# KiCad board pandemonium BLE e7.kicad_pcb
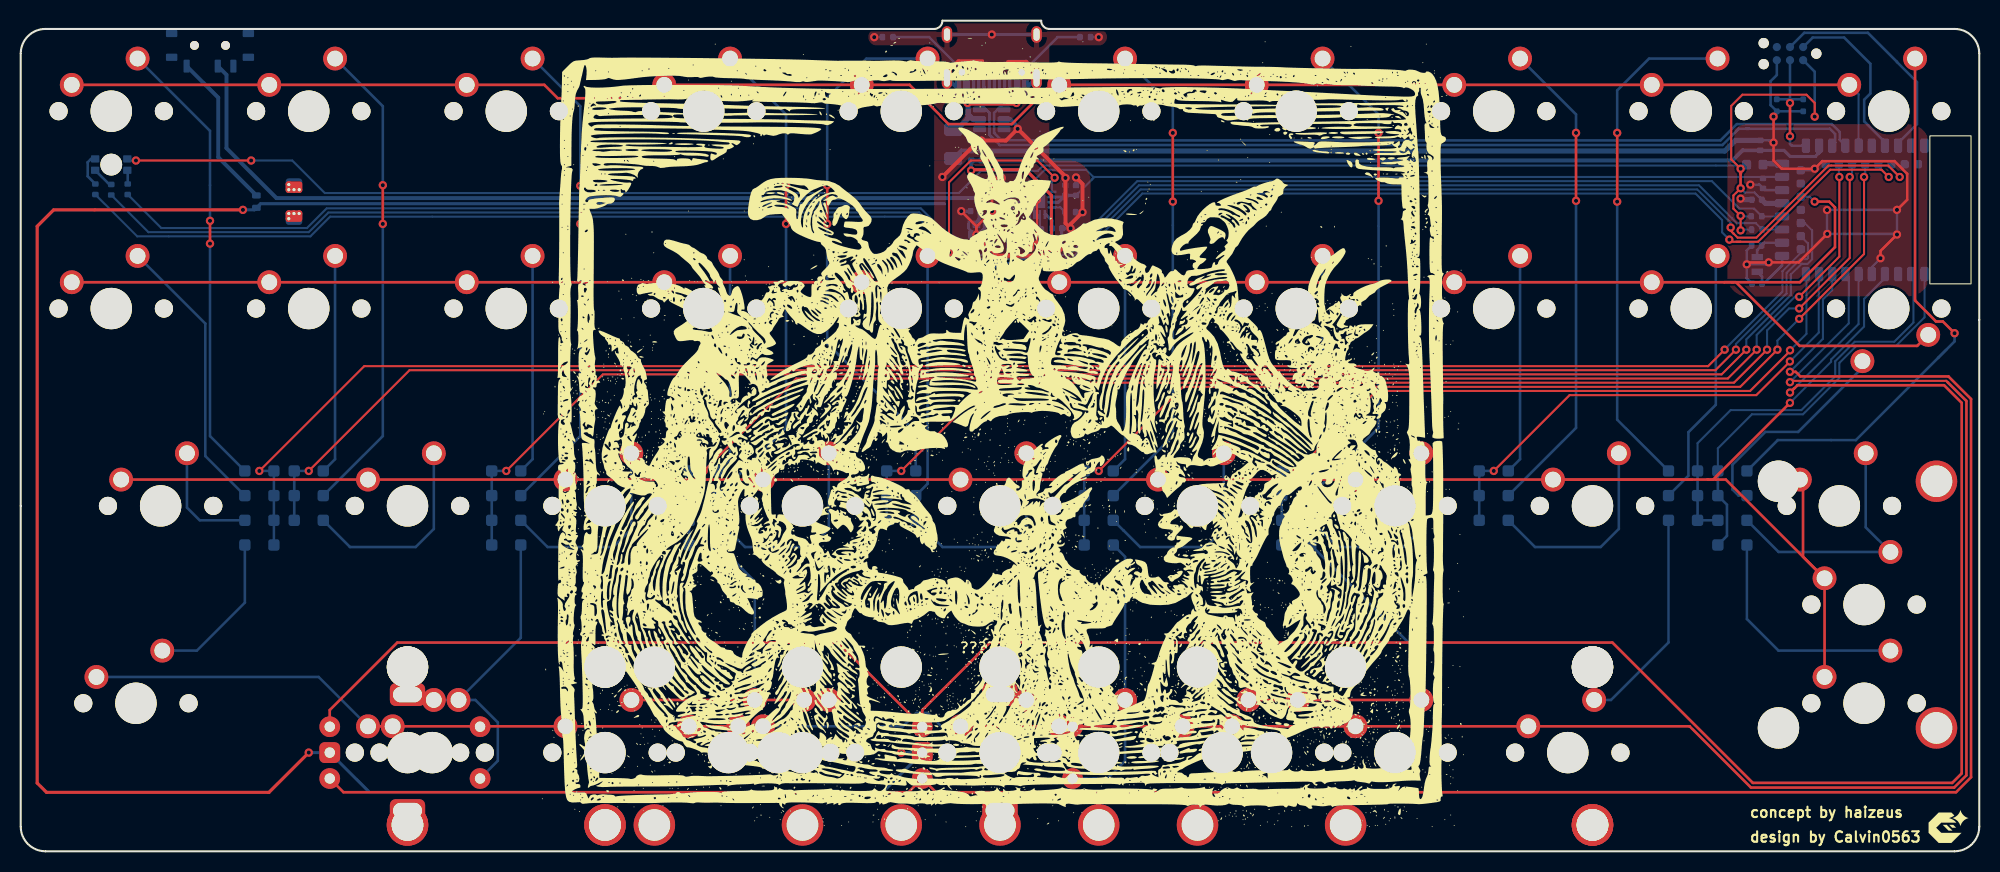
[diagram p0: board, top side]
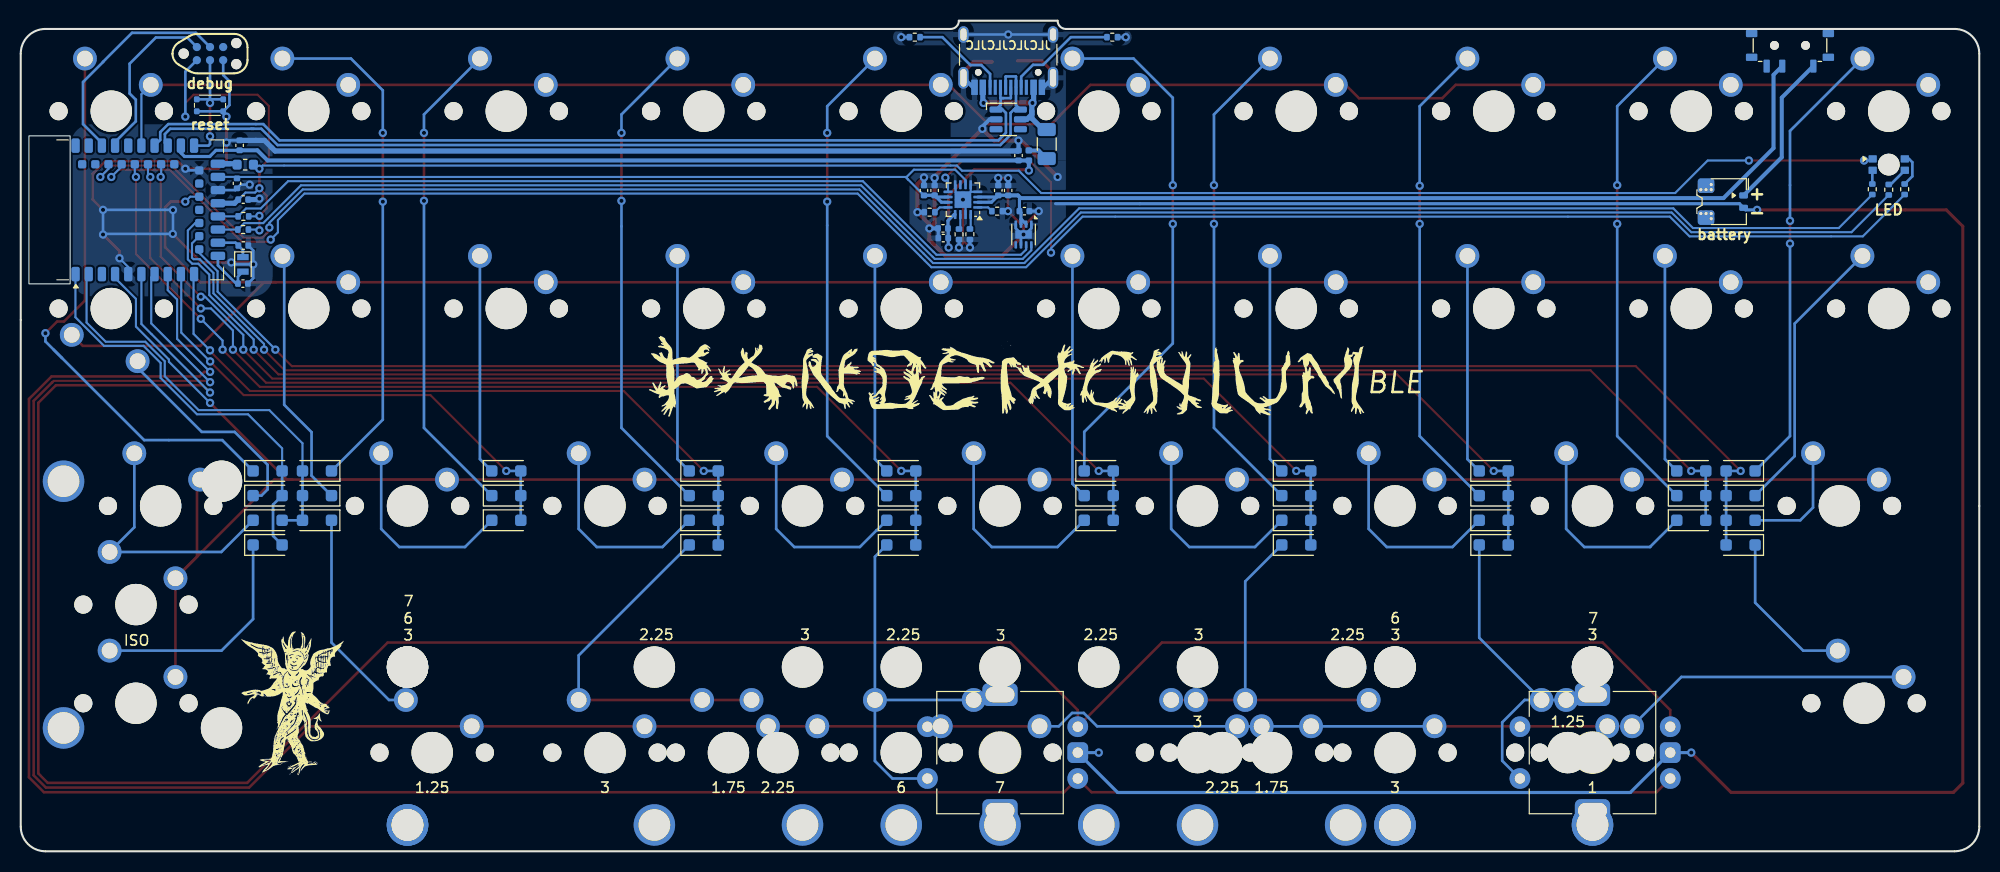
[diagram p1: board, bottom side, seen from below]

Outline 188.91 x 80.17 mm; copper layers: Top, Bottom. Coordinates in mm from the lower left corner of the outline.
Outline path: rectangle 184.15,69.06 188.12,54.77 ; 0,76.99 0,33.34 0,2.38 arc(0.7,0.7) 2.38,0 186.53,0 arc(188.22,0.7) 188.91,2.38 188.91,51.3 188.91,76.99 arc(188.22,78.68) 186.53,79.38 99.22,79.38 arc(98.66,79.61) 98.43,80.17 88.9,80.17 arc(88.67,79.61) 88.11,79.38 2.38,79.38 arc(0.7,78.68) 0,76.99
Stack: Top 0.035mm / dielectric 1.51mm FR4 er 4.5 / Bottom 0.035mm

## Placement (name value [footprint] x y rotation side)
C6  1u  [C_0402_1005Metric]  167.45 62.91 180 bottom
C7  4u7  [C_0402_1005Metric]  167.8 68.14 90 bottom
C8  4u7  [C_0402_1005Metric]  168.05 64.47 270 bottom
C9  12p  [C_0402_1005Metric]  167.48 54.8 180 bottom
C10  12p  [C_0402_1005Metric]  167.44 58.47 180 bottom
C12  4u7  [C_0402_1005Metric]  92.67 67.16 90 bottom
C13  4u7  [C_0402_1005Metric]  99.93 59.19 0 bottom
C14  1u  [C_0402_1005Metric]  99.96 60.13 0 bottom
C15  4u7  [C_0402_1005Metric]  101.79 63.79 90 bottom
C16  1u  [C_0402_1005Metric]  100.76 63.79 90 bottom
C17  100n  [C_0402_1005Metric]  92.1 61.79 180 bottom
C18  4u7  [C_0402_1005Metric]  93.66 63.79 90 bottom
C19  1u  [C_0402_1005Metric]  94.62 63.79 90 bottom
D1  D_Small  [D_SOD-123F]  23.02 36.71 0 bottom
D2  D_Small  [D_SOD-123F]  103.98 34.33 180 bottom
D3  D_Small  [D_SOD-123F]  23.02 34.33 0 bottom
D4  D_Small  [D_SOD-123F]  103.98 36.71 180 bottom
D5  D_Small  [D_SOD-123F]  23.02 31.95 0 bottom
D6  D_Small  [D_SOD-123F]  103.98 31.95 180 bottom
D7  D_Small  [D_SOD-123F]  23.02 29.57 0 bottom
D8  D_Small  [D_SOD-123F]  27.78 34.33 180 bottom
D9  D_Small  [D_SOD-123F]  123.03 34.33 180 bottom
D10  D_Small  [D_SOD-123F]  27.78 36.71 180 bottom
D11  D_Small  [D_SOD-123F]  123.03 36.71 180 bottom
D12  D_Small  [D_SOD-123F]  27.78 31.95 180 bottom
D13  D_Small  [D_SOD-123F]  123.03 31.95 180 bottom
D14  D_Small  [D_SOD-123F]  46.83 29.57 180 bottom
D15  D_Small  [D_SOD-123F]  46.83 34.33 180 bottom
D16  D_Small  [D_SOD-123F]  142.08 34.33 180 bottom
D17  D_Small  [D_SOD-123F]  46.83 36.71 180 bottom
D18  D_Small  [D_SOD-123F]  142.08 36.71 180 bottom
D19  D_Small  [D_SOD-123F]  46.83 31.95 180 bottom
D20  D_Small  [D_SOD-123F]  142.08 31.95 180 bottom
D21  D_Small  [D_SOD-123F]  65.88 29.57 180 bottom
D22  D_Small  [D_SOD-123F]  65.88 34.33 180 bottom
D23  D_Small  [D_SOD-123F]  84.93 36.71 180 bottom
D24  D_Small  [D_SOD-123F]  103.98 29.57 180 bottom
D25  D_Small  [D_SOD-123F]  160.34 36.71 0 bottom
D26  D_Small  [D_SOD-123F]  165.1 36.71 180 bottom
D27  D_Small  [D_SOD-123F]  160.34 31.95 0 bottom
D28  D_Small  [D_SOD-123F]  65.88 36.71 180 bottom
D29  D_Small  [D_SOD-123F]  84.93 34.33 180 bottom
D30  D_Small  [D_SOD-123F]  165.1 29.57 180 bottom
D31  D_Small  [D_SOD-123F]  160.34 34.33 0 bottom
D32  D_Small  [D_SOD-123F]  165.1 34.33 180 bottom
D34  D_Small  [D_SOD-123F]  65.88 31.95 180 bottom
D35  D_Small  [D_SOD-123F]  84.93 31.95 180 bottom
D37  D_Small  [D_SOD-123F]  165.1 31.95 180 bottom
D40  D_Small  [D_SOD-123F]  123.03 29.57 180 bottom
F2  750 mA  [Fuse_1206_3216Metric]  89.95 68.26 270 bottom
G***  -  [LOGO]  -21.43 40.48 90 top
G***#2  -  [LOGO]  185.74 2.38 0 top
G***#3  -  [LOGO]  94.46 40.48 0 top
G***#4  -  [LOGO]  94.46 46.04 180 bottom
G***#5  -  [LOGO]  162.72 14.29 180 bottom
J1  TC2030_SWD  [CON_TC2030_outlined]  170.66 76.99 180 bottom  (not fitted)
J2  HRO_TYPE-C-31-M-14  [USB_C_Receptacle_HRO_TYPE-C-31-M-12]  93.66 77.79 0 bottom
J3  78171-0002  [Molex_Pico-EZmate_78171-0002_1x02-1MP_P1.20mm_Vertical]  24.61 62.71 270 bottom
L1  10 uH  [L_0603_1608Metric]  167.26 66.27 180 bottom
L2  BLM15PX121SN1D  [L_0402_1005Metric]  91.68 67.16 270 bottom
LED1  IND  [LED_1206R]  8.73 66.28 180 bottom
MX1  MX_SW_solder  [SW_MX_1u]  8.73 71.44 0 top
MX2  MX_SW_solder  [SW_MX_1u]  103.98 71.44 0 top
MX3  MX_SW_solder  [SW_MX_1u]  8.73 52.39 0 top
MX4  MX_SW_solder  [SW_MX_1u]  103.98 52.39 0 top
MX5  MX_SW_solder  [SW_MX_1.5u]  13.49 33.34 0 top
MX6  MX_SW_solder  [SW_MX_1u]  113.51 33.34 0 top
MX7  MX_SW_solder  [SW_MX_1.25u]  11.11 14.29 0 top
MX8  MX_SW_solder  [SW_MX_1u]  27.78 71.44 0 top
MX9  MX_SW_solder  [SW_MX_1u]  123.03 71.44 0 top
MX10  MX_SW_solder  [SW_MX_1u]  27.78 52.39 0 top
MX11  MX_SW_solder  [SW_MX_1u]  123.03 52.39 0 top
MX12  MX_SW_solder  [SW_MX_1u]  37.31 33.34 0 top
MX13  MX_SW_solder  [SW_MX_1u]  132.56 33.34 0 top
MX14  MX_SW_solder  [SW_MX_1u]  37.31 9.53 0 top
MX15  MX_SW_solder  [SW_MX_1u]  46.83 71.44 0 top
MX16  MX_SW_solder  [SW_MX_1u]  142.08 71.44 0 top
MX17  MX_SW_solder  [SW_MX_1u]  46.83 52.39 0 top
MX18  MX_SW_solder  [SW_MX_1u]  142.08 52.39 0 top
MX19  MX_SW_solder  [SW_MX_1u]  56.36 33.34 0 top
MX20  MX_SW_solder  [SW_MX_1u]  151.61 33.34 0 top
MX21  MX_SW_solder  [SW_MX_1u]  75.41 9.53 0 top
MX22  MX_SW_solder  [SW_MX_1u]  65.88 71.44 0 top
MX23  MX_SW_solder  [SW_MX_1u]  161.13 71.44 0 top
MX24  MX_SW_solder  [SW_MX_1u]  65.88 52.39 0 top
MX25  MX_SW_solder  [SW_MX_1u]  161.13 52.39 0 top
MX26  MX_SW_solder  [SW_MX_1u]  75.41 33.34 0 top
MX27  MX_SW_solder  [SW_MX_1u]  177.8 23.81 0 top
MX28  MX_SW_solder  [SW_MX_1u]  132.56 9.53 0 top
MX29  MX_SW_solder  [SW_MX_1u]  84.93 71.44 0 top
MX30  MX_SW_solder  [SW_MX_1u]  180.18 71.44 0 top
MX31  MX_SW_solder  [SW_MX_1u]  84.93 52.39 0 top
MX32  MX_SW_solder  [SW_MX_1u]  180.18 52.39 180 top
MX33  MX_SW_solder  [SW_MX_1u]  94.46 33.34 0 top
MX34  MX_SW_solder  [SW_MX_1u]  103.98 9.53 0 top
MX35  MX_SW_solder  [SW_MX_1u]  56.36 9.53 0 top
MX36  MX_SW_solder  [SW_MX_1.25u]  39.69 9.53 0 top
MX37  MX_SW_solder  [SW_MX_1u]  73.03 9.53 0 top
MX38  MX_SW_solder  [SW_MX_1.75u]  68.26 9.53 0 top
MX39  MX_SW_solder  [SW_MX_1u]  94.46 9.53 0 top
MX40  MX_SW_solder  [SW_MX_1.25u]  177.8 14.29 0 top
MX41  MX_SW_solder  [SW_MX_1.5u]  175.42 33.34 0 top
MX42  MX_SW_solder  [SW_MX_1u]  115.89 9.53 0 top
MX43  MX_SW_solder  [SW_MX_1.75u]  120.65 9.53 0 top
MX44  MX_SW_solder  [SW_MX_1.25u]  149.23 9.53 0 top
R1  10k  [R_0402_1005Metric]  167.46 60.01 0 bottom
R7  5.1k  [R_0402_1005Metric]  83.63 78.58 180 bottom
R8  10k  [R_0402_1005Metric]  167.43 61.29 0 bottom
R9  5.1k  [R_0402_1005Metric]  102.68 78.58 0 bottom
R10  1k  [R_0402_1005Metric]  10.32 63.9 270 bottom
R11  1k  [R_0402_1005Metric]  8.73 63.86 270 bottom
R12  1k  [R_0402_1005Metric]  7.2 63.9 270 bottom
R13  10k  [R_0402_1005Metric]  94.73 61.79 180 bottom
R14  47k  [R_0402_1005Metric]  98.41 59.55 270 bottom
R15  1k5  [R_0402_1005Metric]  101.25 61.69 0 bottom
R16  2k2  [R_0402_1005Metric]  97.36 59.56 270 bottom
S2  3  [STAB_MX_P_3u]  75.41 9.53 180 top
S3  3  [STAB_MX_P_3u]  132.56 9.53 180 top
S4  3  [STAB_MX_P_3u]  56.36 9.53 180 top
S5  ISO  [STAB_MX_P_ISO-ROT]  177.8 23.81 0 top
S6  225  [STAB_MX_P_2.25u]  73.03 9.53 180 top
S7  225  [STAB_MX_P_2.25u]  115.89 9.53 180 top
S8  6  [STAB_MX_P_6u]  103.98 9.53 180 top
S9  7  [STAB_MX_P_7u]  94.46 9.53 180 top
SW1  RotaryEncoder_Switch  [ROT_Alps_EC11E-Switch]  37.31 9.53 270 top
SW2  RotaryEncoder_Switch  [ROT_Alps_EC11E-Switch]  94.46 9.53 270 top
SW3  RST  [SW_T1A2QR]  170.66 72 180 bottom
SW4  SW_SPDT  [SW_MSK12C02-HB]  18.26 77.79 180 bottom
U1  -  [nRF52840_E73-2G4M08S1C]  178.59 61.91 90 bottom
U2  SRV05-4  [SOT-23-6-routable]  93.66 70.64 180 bottom
U6  MAX17048  [DFN-8-1EP_2x2mm_P0.5mm_EP0.8x1.6mm]  92.18 59.53 270 bottom
U7  BQ24075  [VQFN-16-1EP_3x3mm_P0.5mm_EP1.6x1.6mm]  98.03 62.9 0 bottom
Y1  32.768 KHz  [Crystal_SMD_2012-2Pin_2.0x1.2mm]  167.48 56.65 270 bottom

## Library data of the parts
C6 = -: Notes: X7R, 10%; LCSC: C52923; ki_fp_filters: C_*
C7 C8 = -: Notes: X7R, 10%; LCSC: C23733; ki_fp_filters: C_*
C9 C10 = -: Notes: NP0, 2%; LCSC: C1547; ki_fp_filters: C_*
C12 C13 C15 C18 = -: LCSC: C23733; Notes: X7R, 10%; ki_fp_filters: C_*
C14 C16 C19 = -: LCSC: C52923; Notes: X7R, 10%; ki_fp_filters: C_*
C17 = -: LCSC: C307331; ki_fp_filters: C_*
D1-D32 D34 D35 D37 D40 = -: Sim.Device: D; Sim.Pins: 1=K 2=A; ki_fp_filters: TO-???* *_Diode_* *SingleDiode* D_*
F2 = -: LCSC: C20792; ki_fp_filters: SM*
J1 = -: ki_fp_filters: IDC?Header*2x03* Pin?Header*2x03*
J2 = -: Datasheet: https://www.usb.org/sites/default/files/documents/usb_type-c.zip; ki_fp_filters: USB*C*Receptacle*
J3 = -: LCSC: C505023; ki_fp_filters: Connector*:*_1x??-1MP*
L1 = -: Notes: 80 mA, 20%; LCSC: C92982; ki_fp_filters: Choke_* *Coil* Inductor_* L_*
L2 = -: LCSC: C88970; ki_fp_filters: Choke_* *Coil* Inductor_* L_*
LED1 = -: Datasheet: https://datasheet.lcsc.com/lcsc/2104121904_MEIHUA-MHT151RGBCT_C409782.pdf; LCSC: C2802677; ki_fp_filters: LED* LED_SMD:* LED_THT:*
R1 R8 R13 = -: LCSC: C25744; ki_fp_filters: R_*
R7 R9 = -: ki_fp_filters: R_*
R10-R12 = -: LCSC: C11702; ki_fp_filters: R_*
R14 = -: LCSC: C25792; ki_fp_filters: R_*
R15 = -: LCSC: C25867; ki_fp_filters: R_*
R16 = -: LCSC: C25879; ki_fp_filters: R_*
SW1 SW2 = -: ki_fp_filters: RotaryEncoder*Switch*
SW3 = -: LCSC: C100056
U1 = -: Datasheet: https://www.ebyte.com/en/downpdf.aspx?id=445; LCSC: C356849
U2 = -: Datasheet: http://www.onsemi.com/pub/Collateral/SRV05-4-D.PDF; LCSC: C7420376; ki_fp_filters: SOT?23*
U6 = -: Datasheet: https://datasheets.maximintegrated.com/en/ds/MAX17048-MAX17049.pdf; LCSC: C2682616
U7 = -: Datasheet: http://www.ti.com/lit/ds/symlink/bq24075.pdf; LCSC: C15464; ki_fp_filters: VQFN*1EP*3x3mm*P0.5mm*
Y1 = -: Datasheet: https://datasheet.lcsc.com/szlcsc/KDS-Daishinku-KDS-32-768KHz-12-5PF-20ppm_C93231.pdf; LCSC: C55208; ki_fp_filters: Crystal*

## Footprints (pads in the part's own frame, mm; a bottom-side part is the same pattern mirrored in y, then rotated)
C_0402_1005Metric
  rrect 0.56x0.62 smd: 1(-0.48,0) 2(0.48,0)
CON_TC2030_outlined
  round 0.991 hole 0.991 unplated: (-2.54,0) (2.54,-1.016) (2.54,1.016)
  round 0.787 smd: 1(-1.27,-0.635) 2(-1.27,0.635) 3(0,-0.635) 4(0,0.635) 5(1.27,-0.635) 6(1.27,0.635)
Crystal_SMD_2012-2Pin_2.0x1.2mm
  rect 0.6x1.1 smd: 1(-0.7,0) 2(0.7,0)
D_SOD-123F
  rrect 1.1x1.1 smd: 1(-1.4,0) 2(1.4,0)
DFN-8-1EP_2x2mm_P0.5mm_EP0.8x1.6mm
  rrect 0.64x1.29 smd: (0,0)
  rrect 0.7x0.25 smd: 1(-1,0.75) 2(-1,0.25) 3(-1,-0.25) 4(-1,-0.75) 5(1,-0.75) 6(1,-0.25) 7(1,0.25) 8(1,0.75)
  rect 0.8x1.6 smd: 9(0,0)
Fuse_1206_3216Metric
  rrect 1.25x1.75 smd: 1(-1.4,0) 2(1.4,0)
L_0402_1005Metric
  rrect 0.59x0.64 smd: 1(-0.485,0) 2(0.485,0)
L_0603_1608Metric
  rrect 0.875x0.95 smd: 1(-0.787,0) 2(0.787,0)
LED_1206R
  round 2.1 hole 2.1 unplated: (0,0)
  rrect 0.8x0.7 smd: 1(-1.55,0.55) 2(-1.55,-0.55) 3(1.55,-0.55) 4(1.55,0.55)
Molex_Pico-EZmate_78171-0002_1x02-1MP_P1.20mm_Vertical
  rrect 0.6x0.85 smd: 1(-0.6,1.875) 2(0.6,1.875)
  rrect 0.7x0.8 smd: MP(-1.75,-1.9) MP(1.75,-1.9)
  round 0.6 hole 0.3: MP(-1.65,-1.25) MP(-1.15,-2.25) MP(-1.15,-1.75) MP(-1.15,-1.25) MP(1.15,-2.25) MP(1.15,-1.75) MP(1.15,-1.25) MP(1.65,-1.25)
  rrect 1.4x1.6 smd: MP(-1.55,-1.75) MP(1.55,-1.75)
  rrect 1.1x1.6 smd far side: MP(-1.4,-1.75) MP(1.4,-1.75)
nRF52840_E73-2G4M08S1C
  rrect 1.4x0.8 smd: 1(-6.2,5.03) 2(-6.2,3.76) 3(-6.2,2.49) 4(-6.2,1.22) 5(-6.2,-0.05) 6(-6.2,-1.32) 7(-6.2,-2.59) 8(-6.2,-3.86) 9(-6.2,-5.13) 10(-6.2,-6.4) 26(6.2,-6.4) 27(6.2,-5.13) 29(6.2,-3.86) 31(6.2,-2.59) 33(6.2,-1.32) 35(6.2,-0.05) 37(6.2,1.22) 39(6.2,2.49) 41(6.2,3.76) 43(6.2,5.03)
  rrect 0.8x1.4 smd: 11(-4.44,-8.7) 13(-3.17,-8.7) 15(-1.9,-8.7) 17(-0.63,-8.7) 19(0.64,-8.7) 21(1.91,-8.7) 23(3.18,-8.7) 25(4.45,-8.7)
  rrect 0.8x0.8 smd: 12(-3.81,-6.9) 14(-2.54,-6.9) 16(-1.27,-6.9) 18(0,-6.9) 20(1.27,-6.9) 22(2.54,-6.9) 24(3.81,-6.9) 28(4.4,-4.495) 30(4.4,-3.225) 32(4.4,-1.955) 34(4.4,-0.685) 36(4.4,0.585) 38(4.4,1.855) 40(4.4,3.125) 42(4.4,4.395)
R_0402_1005Metric
  rrect 0.54x0.64 smd: 1(-0.51,0) 2(0.51,0)
ROT_Alps_EC11E-Switch
  round 2 hole 1: A(-2.5,-7.5) B(2.5,-7.5) S1(2.5,7) S2(-2.5,7)
  rrect 2x2 hole 1: C(0,-7.5)
  rrect 2.2x3.4 hole 1.5x2.8: MP(-5.6,0) MP(5.6,0)
SOT-23-6-routable
  rrect 1.25x0.6 smd: 1(-1.175,0.95) 2(-1.175,0) 3(-1.175,-0.95) 4(1.175,-0.95) 5(1.175,0) 6(1.175,0.95)
STAB_MX_P_2.25u
  round 4 hole 3.048: (-11.906,6.985) (11.906,6.985)
  round 3.988 hole 3.988 unplated: (-11.906,-8.255) (11.906,-8.255)
STAB_MX_P_3u
  round 4 hole 3.048: (-19.05,6.985) (19.05,6.985)
  round 3.988 hole 3.988 unplated: (-19.05,-8.255) (19.05,-8.255)
STAB_MX_P_6u
  round 4 hole 3.048: (-47.625,6.985) (47.625,6.985)
  round 3.988 hole 3.988 unplated: (-47.625,-8.255) (47.625,-8.255)
STAB_MX_P_7u
  round 4 hole 3.048: (-57.15,6.985) (57.15,6.985)
  round 3.988 hole 3.988 unplated: (-57.15,-8.255) (57.15,-8.255)
STAB_MX_P_ISO-ROT
  round 3.988 hole 3.988 unplated: (-8.255,11.906) (-8.255,-11.906)
  round 4 hole 3.048: (6.985,11.906) (6.985,-11.906)
SW_MSK12C02-HB
  round 0.85 hole 0.85 unplated: (-1.5,0) (1.5,0)
  rrect 0.6x1.25 smd: 1(2.25,-2) 2(-0.75,-2) 3(-2.25,-2)
  rrect 1.1x0.7 smd: MP(-3.7,-1.15) MP(-3.7,1.15) MP(3.7,-1.15) MP(3.7,1.15)
SW_MX_1.5u
  round 1.75 hole 1.75 unplated: (-5.08,0) (5.08,0)
  round 3.988 hole 3.988 unplated: (0,0)
  round 2.3 hole 1.524: 1(-3.81,2.54) 2(2.54,5.08)
SW_MX_1.25u
  round 1.75 hole 1.75 unplated: (-5.08,0) (5.08,0)
  round 3.988 hole 3.988 unplated: (0,0)
  round 2.3 hole 1.524: 1(-3.81,2.54) 2(2.54,5.08)
SW_MX_1.75u
  round 1.75 hole 1.75 unplated: (-5.08,0) (5.08,0)
  round 3.988 hole 3.988 unplated: (0,0)
  round 2.3 hole 1.524: 1(-3.81,2.54) 2(2.54,5.08)
SW_MX_1u
  round 1.75 hole 1.75 unplated: (-5.08,0) (5.08,0)
  round 3.988 hole 3.988 unplated: (0,0)
  round 2.3 hole 1.524: 1(-3.81,2.54) 2(2.54,5.08)
SW_T1A2QR
  rrect 0.55x0.57 smd: 1(-1.275,0.58) 1(1.275,0.58) 2(-1.275,-0.58) 2(1.275,-0.58)
USB_C_Receptacle_HRO_TYPE-C-31-M-12
  round 0.65 hole 0.65 unplated: (-2.89,2.6) (2.89,2.6)
  rect 0.6x1.45 smd: A1(-3.25,4.045) A4(-2.45,4.045) A9(2.45,4.045) A12(3.25,4.045) B1(3.25,4.045) B4(2.45,4.045) B9(-2.45,4.045) B12(-3.25,4.045)
  rect 0.3x1.45 smd: A5(-1.25,4.045) A6(-0.25,4.045) A7(0.25,4.045) A8(1.25,4.045) B5(1.75,4.045) B6(0.75,4.045) B7(-0.75,4.045) B8(-1.75,4.045)
  oval 1x1.6 hole 0.6x1.2: S1(-4.32,-1.05) S1(4.32,-1.05)
  oval 1x2.1 hole 0.6x1.7: S1(-4.32,3.13) S1(4.32,3.13)
VQFN-16-1EP_3x3mm_P0.5mm_EP1.6x1.6mm
  rrect 0.64x0.64 smd: (-0.4,-0.4) (-0.4,0.4) (0.4,-0.4) (0.4,0.4)
  rrect 0.875x0.25 smd: 1(-1.438,0.75) 2(-1.438,0.25) 3(-1.438,-0.25) 4(-1.438,-0.75) 9(1.438,-0.75) 10(1.438,-0.25) 11(1.438,0.25) 12(1.438,0.75)
  rrect 0.25x0.875 smd: 5(-0.75,-1.438) 6(-0.25,-1.438) 7(0.25,-1.438) 8(0.75,-1.438) 13(0.75,1.438) 14(0.25,1.438) 15(-0.25,1.438) 16(-0.75,1.438)
  rect 1.6x1.6 smd: 17(0,0)

## Nets
+5V: C7.1 C12.1 C13.1 C14.1 L2.2 U1.27 U7.13
GND: C6.2 C7.2 C8.2 C9.2 C10.2 C12.2 C13.2 C14.2 C15.2 C16.2 C17.2 C18.2 C19.2 J1.5 J2.A1 J2.A12 J2.B1 J2.B12 J2.S1 J3.2 R7.2 R9.2 R13.2 R14.2 R15.2 R16.2 SW1.C SW2.C SW3.2 U1.5 U1.21 U1.24 U2.2 U6.1 U6.4 U6.6 U6.9 U7.4 U7.5 U7.8 U7.15 U7.17
VBUS: F2.1 J2.A4 J2.A9 J2.B4 J2.B9 U2.5
VDD: C6.1 J1.1 L1.2 LED1.1 R1.1 R8.1 U1.19
+BATT: C17.1 C18.1 C19.1 SW4.2 U6.2 U6.3 U7.2 U7.3
+VSW: C8.1 C15.1 C16.1 U1.23 U7.6 U7.10 U7.11
/CC1: J2.A5 R7.1
/CC2: J2.B5 R9.1
/ILIM: R15.1 U7.12
/TMR: R14.1 U7.14
ALERT: U6.5
COL0: D1.2 D3.2 D5.2 D7.2 U1.12
COL1: D8.2 D10.2 D12.2 U1.14
COL2: D14.2 D15.2 D17.2 D19.2 U1.16
COL3: D21.2 D22.2 D28.2 D34.2 U1.30
COL4: D23.2 D29.2 D35.2 U1.32
COL5: D2.2 D4.2 D6.2 D24.2 U1.34
COL6: D9.2 D11.2 D13.2 D40.2 U1.10
COL7: D16.2 D18.2 D20.2 U1.9
COL8: D25.2 D27.2 D31.2 D37.2 U1.2
COL9: D26.2 D30.2 D32.2 U1.1
D+: J2.A6 J2.B6 U1.31 U2.1
D-: J2.A7 J2.B7 U1.29 U2.6
DCCH: L1.1 U1.25
LED_B: R10.2 U1.38
LED_G: R11.2 U1.36
r1: D14.1 MX14.2 MX36.2 SW1.S1
r2: D24.1 MX34.2 MX39.2 SW2.S1
ROTARY_A: SW1.A SW2.A U1.6
ROTARY_B: SW1.B SW2.B U1.8
ROW0: MX1.1 MX2.1 MX8.1 MX9.1 MX15.1 MX16.1 MX22.1 MX23.1 MX29.1 MX30.1 U1.33
ROW1: MX3.1 MX4.1 MX10.1 MX11.1 MX17.1 MX18.1 MX24.1 MX25.1 MX31.1 MX32.1 U1.20
ROW2: MX5.1 MX6.1 MX12.1 MX13.1 MX19.1 MX20.1 MX26.1 MX27.1 MX33.1 MX40.1 MX41.1 U1.4
ROW3: MX7.1 MX14.1 MX21.1 MX28.1 MX34.1 MX35.1 MX36.1 MX37.1 MX38.1 MX39.1 MX42.1 MX43.1 MX44.1 SW1.S2 SW2.S2 U1.7
RST: J1.3 SW3.1 U1.26
SCL: R8.2 U1.17 U6.7
SDA: R1.2 U1.15 U6.8
SWDCLK: J1.4 U1.39
SWDIO: J1.2 U1.37
~{CHG}: R12.2 U7.9
Net-(D1-K): D1.1 MX1.2
Net-(D2-K): D2.1 MX2.2
Net-(D3-K): D3.1 MX3.2
Net-(D4-K): D4.1 MX4.2
Net-(D5-K): D5.1 MX5.2
Net-(D6-K): D6.1 MX6.2
Net-(D7-K): D7.1 MX7.2
Net-(D8-K): D8.1 MX8.2
Net-(D9-K): D9.1 MX9.2
Net-(D10-K): D10.1 MX10.2
Net-(D11-K): D11.1 MX11.2
Net-(D12-K): D12.1 MX12.2
Net-(D13-K): D13.1 MX13.2
Net-(D15-K): D15.1 MX15.2
Net-(D16-K): D16.1 MX16.2
Net-(D17-K): D17.1 MX17.2
Net-(D18-K): D18.1 MX18.2
Net-(D19-K): D19.1 MX19.2
Net-(D20-K): D20.1 MX20.2
Net-(D21-K): D21.1 MX21.2 MX35.2 MX37.2 MX38.2
Net-(D22-K): D22.1 MX22.2
Net-(D23-K): D23.1 MX29.2
Net-(D25-K): D25.1 MX23.2
Net-(D26-K): D26.1 MX30.2
Net-(D27-K): D27.1 MX44.2
Net-(D28-K): D28.1 MX24.2
Net-(D29-K): D29.1 MX31.2
Net-(D30-K): D30.1 MX40.2
Net-(D31-K): D31.1 MX25.2
Net-(D32-K): D32.1 MX32.2
Net-(D34-K): D34.1 MX26.2
Net-(D35-K): D35.1 MX33.2
Net-(D37-K): D37.1 MX27.2 MX41.2
Net-(D40-K): D40.1 MX28.2 MX42.2 MX43.2
Net-(F2-Pad2): F2.2 L2.1
Net-(J3-Pin_1): J3.1 SW4.1
Net-(LED1-BK): LED1.2 R10.1
Net-(LED1-GK): LED1.3 R11.1
Net-(LED1-RK): LED1.4 R12.1
Net-(U1-P0.00/XL1): C9.1 U1.11 Y1.2
Net-(U1-P0.01/XL2): C10.1 U1.13 Y1.1
Net-(U7-ISET): R16.1 U7.16
Net-(U7-TS): R13.1 U7.1

Pads without a net: J1 6; J2 A8 B8; J3 MP; SW1 MP; SW2 MP; SW4 3 MP; U1 3 18 22 28 35 40 41 42 43; U2 3 4; U7 7

## Via types
v1: diameter 0.8, hole 0.4, Top to Bottom, 98 vias

## Routing (per net, layer and track width the routed paths; a pad name or vN(x,y) marks a point on that pad's centre or on a via; arc(x,y) is an arc through that point)
+5V: length 101.6
  Top w0.3: v1(99.41,58.28) 99.41,63.31 96.93,65.78 91.74,65.78 v1(91.67,65.71)
  Bottom w0.3: U7.13 98.88,61.46 99.48,60.87 C14.1 99.45,60.1 C13.1 99.45,58.32 v1(99.41,58.28) ; U1.27 173.46,67.41 173.11,67.06 170.68,67.06 170.08,67.66 C7.1
  Bottom w0.38: C7.1 166.08,67.66 165.11,66.68 C12.1 92.66,66.68 L2.2 91.68,65.72 v1(91.67,65.71)
GND: length 484.5
  Top w0.2: v1(98.41,58.28) 98.03,58.66 98.03,60.33 ; v1(97.36,58.28) 98.03,58.95 98.03,60.33 ; v1(98.03,62.9) 98.03,60.33
  Top w0.25: v1(166.48,56.65) 166.68,56.84 v1(168.6,56.84) 171.5,56.84 v1(174.25,59.59) ; v1(169.07,68.41) 169.07,66.68 169.86,65.88 v1(173.04,65.88) 173.77,66.61 180.75,66.61 181.96,65.4 181.96,62.9 v1(180.98,61.91) ; v1(169.07,68.41) v1(169.07,70.91) ; v1(169.07,68.41) 169.19,68.29 ; v1(179.39,57.24) 179.39,57.94 v1(180.98,59.53) ; v1(90.72,61.79) 92.18,60.33 v1(92.18,59.53) 92.18,60.28 v1(93.69,61.79) 93.69,64.96 v1(93.67,64.98) 94.61,64.98 v1(94.63,64.99)
  Top w0.3: v1(27.78,9.53) 23.94,5.69 2.49,5.69 1.59,6.59 1.59,60.33 3.18,61.91 v1(21.43,61.91) ; J2.S1 89.34,75.21 90.43,76.3 92.77,76.3
  Top w0.38: v1(92.18,59.53) 94.23,57.49 99.74,57.49 101.27,59.02 v1(101.27,60.12) ; v1(101.27,60.12) 100.77,60.63 v1(100.77,65) 100.77,65.12 v1(96.16,69.73) 95.02,68.6 v1(92.68,68.6) 92.41,68.6 v1(88.9,65.09) ; v1(101.27,60.12) 101.27,60.54 v1(102.42,61.69) 102.42,64.41 v1(101.79,65.04)
  Top w0.381: J2.S1 97.98,75.21 96.99,76.2 95.25,76.2
  Bottom w0.2: U7.15 97.78,62.65 v1(98.03,62.9) ; v1(98.03,62.9) 98.73,63.6 98.73,64.29 U7.8 ; v1(98.03,62.9) 97.28,63.65 ; U7.4 97.28,63.65 ; 97.28,63.65 U7.5 ; U1.5 178.54,56.4 v1(179.39,57.24)
  Bottom w0.25: U1.21 168.22,63.82 C8.2 167.7,64.35 v1(166.83,64.35) ; v1(166.48,56.65) 166.48,57.99 C10.2 ; v1(166.48,56.65) 168.6,56.65 168.6,56.64 ; v1(166.48,56.65) 166.48,55.31 C9.2 ; 168.71,68.62 169.07,68.26 ; R7.2 v1(82.33,78.58) ; v1(169.07,68.41) 168.86,68.62 C7.2 ; 89.44,78.84 J2.S1 J2.S1 ; R9.2 v1(103.98,78.58) ; SW3.2 SW3.2 171.93,71.42 ; SW3.2 168.78,72.02 168.78,74.33 169.39,74.93 J1.5 ; SW3.2 169.38,71.23 v1(169.07,70.91) ; v1(173.04,65.88) 172.88,65.72 U1.24 ; U6.6 92.43,59.28 v1(92.18,59.53) ; v1(92.18,59.53) 92.04,59.53 91.43,60.13 U6.1 ; v1(92.18,59.53) 92.33,59.53 92.93,60.13 U6.4 ; 174.25,61.91 v1(174.23,61.89) 174.23,59.61 v1(174.25,59.59) 180.91,59.59 v1(180.98,59.53) v1(180.98,61.91) 174.25,61.91
  Bottom w0.3: v1(84.93,9.53) SW2.C 83.11,5.68 33.66,5.68 SW1.C v1(27.78,9.53) ; R16.2 97.36,58.28 v1(97.36,58.28) ; C13.2 100.41,60.1 C14.2 ; 89.1,62.51 23.13,62.51 J3.2 22.54,61.91 v1(21.43,61.91) ; R14.2 98.41,58.28 v1(98.41,58.28) ; C17.2 v1(90.72,61.79)
  Bottom w0.38: v1(101.27,60.12) 101.27,60.13 C14.2 ; R15.2 v1(102.42,61.69) ; C16.2 100.76,64.99 v1(100.77,65) ; v1(94.63,64.99) 94.62,64.99 C19.2 ; v1(93.67,64.98) 93.66,64.97 C18.2 ; R13.2 v1(93.69,61.79) ; v1(101.79,65.04) 101.79,65.04 C15.2 ; v1(96.16,69.73) 96.16,69.95 95.46,70.64 U2.2 ; C12.2 92.67,68.59 v1(92.68,68.6)
  Bottom w0.381: J2.S1 90.26,73.74 J2.A1 ; J2.A12 97.07,73.74 J2.S1
  Bottom w0.5: v1(165.89,63) 165.98,62.91 C6.2 ; C7.2 165.4,68.62 164.38,67.59 92.72,67.59 C12.2
  vias: v1(93.66,78.84)
VBUS: length 12.8
  Top w0.5: v1(91.33,72.23) v1(96.04,72.23)
  Bottom w0.5: J2.A4 91.21,72.35 v1(91.33,72.23) 91.39,72.17 91.39,71.44 ; 91.39,71.44 91.39,70.75 90.3,69.66 F2.1 ; 91.39,71.44 91.39,71.12 91.86,70.64 U2.5 ; v1(96.04,72.23) 96.11,72.3 J2.A9
VDD: length 194.9
  Top w0.2: v1(165.89,65.88) 164.99,66.79 164.99,71.94 166.07,73.03 172.24,73.03 173.04,72.23 v1(173.04,70.91) ; v1(22.23,66.68) v1(11.11,66.68) ; v1(165.89,64) 165.19,63.3 165.19,62.03 v1(165.89,61.33) v1(165.89,59.93)
  Top w0.25: 165.89,65.4 v1(165.89,64)
  Top w0.3: v1(165.89,65.88) 165.89,65.4
  Bottom w0.2: v1(165.89,61.33) 165.94,61.29 R8.1 ; R1.1 165.97,60.01 v1(165.89,59.93) ; v1(165.89,64) 166.31,63.58 167.23,63.58 167.93,62.88 C6.1 ; v1(22.23,66.68) 26.19,66.68 29.33,63.54 90.49,63.54 92.64,65.69 98.12,65.69 98.62,66.19 165.59,66.19 v1(165.89,65.88) ; v1(11.11,66.68) 10.44,66.68 LED1.1
  Bottom w0.25: v1(165.89,65.88) 166.29,66.27 L1.2 166.29,66.27 ; v1(173.04,70.91) 173.04,75.25 J1.1
  Bottom w0.5: U1.19 168.29,62.55 C6.1
+BATT: length 93.5
  Bottom w0.3: C19.1 94.78,63.15 U7.3 ; C19.1 95.28,62.65 U7.2 ; C19.1 C18.1 92.93,63.31 ; 92.43,60.99 U6.3 ; 92.43,60.99 92.43,61.64 C17.1 92.58,62.93 92.47,63.05 ; 92.43,60.99 92.4,60.99 U6.2
  Bottom w0.38: C18.1 92.73,63.31 92.47,63.05 24.67,63.05 19.84,67.87 19.84,74.95 SW4.2
+VSW: length 79.9
  Bottom w0.2: 103.47,65.08 102.76,65.79 98.78,65.79 97.78,64.79 U7.6 ; 103.47,65.08 103.47,64.98 103.33,64.85 ; 103.47,65.08 167.92,65.08 C8.1 168.2,65.09 U1.23 ; 103.37,64.88 103.33,64.85 ; 103.33,64.85 C15.1
  Bottom w0.3: U7.11 100.1,62.65 C16.1 ; C16.1 101.79,63.31 C15.1 ; C16.1 100.6,63.15 U7.10
/CC1: length 10.9
  Bottom w0.25: R7.1 87.62,78.58 90.29,75.91 91.27,75.91 92.41,74.77 J2.A5
/CC2: length 9.5
  Bottom w0.25: J2.B5 95.41,75.04 96.26,75.89 97.32,75.89 100.01,78.58 R9.1
/ILIM: length 1.5
  Bottom w0.2: R15.1 100.27,62.15 U7.12
/TMR: length 1.5
  Bottom w0.2: R14.1 98.28,60.19 U7.14
COL0: length 167.5
  Top w0.2: 162.72,46.83 162.74,46.83 ; 162.72,46.83 33.14,46.83 v1(23.02,36.71) ; 162.72,46.83 162.77,46.83 v1(164.35,48.42)
  Bottom w0.2: U1.12 171.69,57.76 169.92,55.99 169.92,54.02 164.35,48.45 v1(164.35,48.42)
  Bottom w0.25: v1(23.02,36.71) D1.2 D7.2
COL1: length 163.1
  Top w0.2: v1(27.78,36.71) 37.5,46.43 163.46,46.43 v1(165.44,48.42)
  Bottom w0.2: U1.14 172.39,58.67 172.39,57.3 172.24,57.15 171.65,57.15 170.32,55.82 170.32,53.85 165.44,48.97 v1(165.44,48.42)
  Bottom w0.25: v1(27.78,36.71) 26.38,36.71 26.38,31.95
COL2: length 148.9
  Top w0.2: v1(46.83,36.71) 56.15,46.03 164.06,46.03 v1(166.44,48.42)
  Bottom w0.2: v1(166.44,48.42) 166.44,49.41 170.72,53.69 170.72,55.66 171.78,56.71 172.37,56.71 172.79,57.13 172.79,59.93 172.08,60.64 U1.16
  Bottom w0.25: D14.2 D17.2 v1(46.83,36.71)
COL3: length 136.7
  Top w0.2: v1(65.88,36.71) 74.8,45.63 164.66,45.63 v1(167.44,48.42) ; 171.72,53.7 175.42,57.4 v1(175.42,65.09) ; 171.72,53.7 v1(171.54,53.53) 171.72,53.7
  Bottom w0.2: U1.30 175.37,65.14 v1(175.42,65.09) ; v1(171.54,53.53) 171.13,53.53 167.44,49.84 v1(167.44,48.42)
  Bottom w0.25: v1(65.88,36.71) D28.2 D21.2
COL4: length 116.6
  Top w0.2: v1(168.44,48.42) 165.26,45.23 93.45,45.23 v1(84.93,36.71) ; v1(176.42,65.09) 176.42,57.27 v1(171.54,52.4) ; 171.44,52.4 171.54,52.5 171.54,52.53
  Bottom w0.2: v1(168.44,48.42) 168.44,50.28 170.56,52.4 v1(171.54,52.4) ; v1(176.42,65.09) 176.64,65.31 U1.32
  Bottom w0.25: 83.53,31.95 83.53,36.71 v1(84.93,36.71)
COL5: length 100.4
  Top w0.2: 171.56,51.53 171.56,51.51 171.45,51.4 ; v1(171.54,51.4) 177.8,57.65 v1(177.8,65.09) ; v1(103.98,36.71) 112.1,44.83 165.86,44.83 v1(169.44,48.42)
  Bottom w0.2: U1.34 177.91,65.2 v1(177.8,65.09) ; v1(171.54,51.4) 169.44,49.3 v1(169.44,48.42)
  Bottom w0.25: D24.2 D4.2 v1(103.98,36.71)
COL6: length 69.1
  Top w0.2: v1(123.03,36.71) 130.75,44.43 166.81,44.43 170.65,48.27 170.65,48.35 v1(170.66,48.35)
  Bottom w0.2: U1.10 172.24,55.66 172.24,49.94 v1(170.66,48.35)
  Bottom w0.25: v1(123.03,36.71) 121.63,36.71 121.63,29.57
COL7: length 48.7
  Top w0.2: v1(170.65,47.28) 170.65,47.27 167.41,44.03 149.4,44.03 v1(142.08,36.71)
  Bottom w0.2: 173.43,55.68 173.43,50.07 v1(170.65,47.28)
  Bottom w0.25: v1(142.08,36.71) D18.2 D20.2
COL8: length 40.7
  Bottom w0.2: D25.2 161.74,39.39 164.93,42.58 171.75,42.58 175.02,45.85 175.02,47.3 176.9,49.18 180.71,49.18 182.56,51.04 182.56,55.5 U1.2
  Bottom w0.25: D25.2 D27.2 D37.2
COL9: length 40.3
  Bottom w0.2: U1.1 183.64,55.7 183.64,51.54 180.88,48.78 177.07,48.78 175.42,47.14 175.42,45.69 171.91,42.18 166.99,42.18 163.7,38.89 D26.2
  Bottom w0.25: D30.2 164.58,30.44 164.58,33.46 D32.2 D26.2
D+: length 92
  Bottom w0.25: J2.B6 94.41,72.72 94.39,72.69 ; 94.39,72.69 94.12,72.69 ; 94.39,72.69 93.44,72.69 93.41,72.72 J2.A6 ; 94.39,72.69 94.39,72.04 U2.1 94.21,71.59 93.89,71.27 93.89,69.34 94.61,68.62 163.95,68.62 165.52,70.19 174.69,70.19 175.46,69.41 175.46,68.66 U1.31
D-: length 92.9
  Bottom w0.25: U1.29 175.01,68.39 175.01,69.23 174.5,69.74 166.69,69.74 ; J2.A7 93.91,74.77 93.89,74.79 92.94,74.79 92.91,74.77 J2.B7 92.91,72.02 U2.6 93.11,71.59 93.44,71.27 93.44,69.16 94.43,68.17 164.14,68.17 165.71,69.74 166.69,69.74 ; 166.69,69.74 166.42,69.74
DCCH: length 3.6
  Bottom w0.25: 168.13,66.36 168.75,66.36
  Bottom w0.5: L1.1 168.13,66.36 U1.25 168.75,66.36
LED_B: length 185.6
  Top w0.2: 165.2,59.63 165.1,59.74 ; 165.2,59.63 165.6,59.23 167.41,59.23 174.37,66.19 180.14,66.19 v1(181.24,65.09) ; 165.2,59.63 164.93,59.9 v1(164.93,60.21)
  Bottom w0.2: v1(181.24,65.09) 180.45,65.88 U1.38 ; R10.2 13.55,60.16 27.61,60.16 29.51,62.06 86.82,62.06 92.1,56.78 100.91,56.78 108.02,63.88 161.71,63.88 164.93,60.66 v1(164.93,60.21)
LED_G: length 186.7
  Top w0.2: v1(180.18,65.09) 179.48,65.79 174.53,65.79 167.58,58.83 165.89,58.83 ; 165.89,58.83 165.01,58.83 v1(164.81,59.04) ; 165.89,58.83 165.44,58.83
  Bottom w0.2: R11.2 12.32,59.76 27.78,59.76 29.68,61.66 86.66,61.66 91.94,56.38 101.08,56.38 108.19,63.48 161.54,63.48 164.11,60.92 164.11,59.74 v1(164.81,59.04) ; v1(180.18,65.09) 179.18,66.09 U1.36
r1: length 30.6
  Bottom w0.25: MX14.2 MX36.2 ; MX36.2 48.23,20.61 D14.1 ; MX36.2 43.85,14.61 46.02,12.44 46.02,8.74 SW1.S1
r2: length 36.6
  Bottom w0.25: MX34.2 106.52,28.43 D24.1 ; MX34.2 MX39.2 ; MX34.2 106.52,8.71 104.83,7.03 SW2.S1
ROTARY_A: length 242.9
  Top w0.25: SW1.A 29.81,13.63 36.33,20.15 78.83,20.15 SW2.A 86.96,13.63 93.48,20.15 153.53,20.15 167.07,6.6 186.3,6.6 187.22,7.52 187.22,43.28 185.52,44.98 171.38,44.98 171.06,44.67 ; 171.05,44.68 v1(170.66,44.28)
  Bottom w0.2: U1.6 177.27,50.9 v1(170.66,44.28)
ROTARY_B: length 226.7
  Top w0.25: SW1.B 31.13,5.7 85.63,5.7 SW2.B 88.28,5.7 186.68,5.7 188.12,7.14 188.12,43.66 185.94,45.83 171.66,45.83 171.21,46.28 v1(170.65,46.28)
  Bottom w0.2: v1(170.65,46.28) 173.83,49.46 173.83,53.26 174.73,54.17 U1.8
ROW0: length 181.9
  Top w0.25: MX30.1 MX2.1 99.38,73.98 95.59,70.19 89.49,70.19 88.76,70.92 88.76,70.96 85.74,73.98 MX29.1 61.12,73.98 59.83,72.69 51.79,72.69 50.5,73.98 MX15.1 MX1.1
  Bottom w0.2: U1.33 177.27,73.08 MX30.1
ROW1: length 201.7
  Top w0.25: MX3.1 MX25.1 164.31,54.93 ; 164.31,54.93 165.44,54.93 171.58,48.78 182.93,48.78 MX32.1 ; 164.31,54.93 171.61,54.93 174.99,58.31 174.99,62.15 174.44,62.71 v1(173.04,62.71)
  Bottom w0.2: v1(173.04,62.71) 172.56,63.18 U1.20
ROW2: length 229.7
  Top w0.2: MX20.1 161.29,35.88
  Top w0.25: 163.51,36.14 164.09,36.73 ; 164.09,36.73 v1(170.65,43.28) ; 164.09,36.73 163.25,35.88 162.72,35.88 ; 162.72,35.88 MX20.1 MX5.1 ; 162.72,35.88 164.47,35.88 MX27.1 ; MX27.1 MX40.1 ; MX27.1 171.91,28.43 171.91,35.88
  Bottom w0.2: U1.4 179.81,55.33 177.8,53.32 177.8,50.65 174.62,47.47 174.62,47.25 v1(170.65,43.28)
ROW3: length 272.4
  Top w0.2: 185.89,45.24 185.73,45.41 170.78,45.41 v1(170.65,45.28)
  Top w0.25: 185.86,45.28 187.67,43.47 187.67,7.33 186.49,6.15 166.89,6.15 160.97,12.07 MX44.1 MX39.1 ; MX14.1 MX21.1 ; 170.65,45.28 v1(170.65,45.28)
  Bottom w0.2: U1.7 176.33,55.39 176.33,50.96 v1(170.65,45.28)
  Bottom w0.25: MX35.1 MX21.1 85.09,12.07 86.38,13.35 87.51,13.35 88.79,12.07 MX39.1 ; MX7.1 28.73,16.83 MX14.1
RST: length 12.6
  Top w0.25: v1(170.66,72.23) v1(170.66,69.01)
  Bottom w0.25: J1.3 v1(170.66,72.23) 170.66,72.58 ; U1.26 170.81,68.11 170.66,68.26 v1(170.66,69.01) ; 170.66,72.58 SW3.1 ; 170.66,72.58 SW3.1
SCL: length 83
  Bottom w0.2: U6.7 91.93,58.08 92.44,57.58 100.58,57.58 107.69,64.68 163.12,64.68 165.76,62.04 167.19,62.04 R8.2 169.89,61.29 U1.17
SDA: length 84
  Bottom w0.2: U6.8 91.43,58.01 92.27,57.18 100.75,57.18 107.86,64.28 161.88,64.28 165.53,60.63 167.35,60.63 R1.2 U1.15
SWDCLK: length 21.7
  Bottom w0.25: J1.4 172.03,79 178.18,79 180.98,76.2 180.98,76.18 182.9,74.25 182.9,70.19 181.08,68.37 U1.39
SWDIO: length 16.9
  Bottom w0.25: U1.37 179.81,68.45 177.81,70.46 177.81,72.55 178.41,73.14 178.41,76.02 175.88,78.55 172.85,78.55 J1.2
~{CHG}: length 106.5
  Top w0.2: v1(89.54,57.79) 89.54,64.57 91.64,66.68 98.07,66.68 v1(99.73,65.02)
  Bottom w0.2: 89.54,58.21 86.49,61.26 29.85,61.26 27.94,59.36 11.23,59.36 R12.2 ; v1(99.73,65.02) 99.47,64.76 U7.9 ; 89.54,58.11 89.54,57.69
Net-(D1-K): length 44.1
  Top w0.25: v1(18.26,60.86) v1(18.26,58.66)
  Bottom w0.25: D1.1 18.26,40.08 v1(18.26,58.66) ; v1(18.26,60.86) 18.26,69.53 MX1.2
Net-(D2-K): length 46.5
  Top w0.25: v1(111.13,62.71) v1(111.13,69.34)
  Bottom w0.25: MX2.2 111.13,71.91 v1(111.13,69.34) ; D2.1 111.13,40.08 v1(111.13,62.71)
Net-(D3-K): length 27.4
  Bottom w0.25: D3.1 17.81,38.14 17.81,50.93 MX3.2
Net-(D4-K): length 21.2
  Bottom w0.25: MX4.2 106.52,37.85 D4.1
Net-(D5-K): length 11.3
  Bottom w0.25: MX5.2 16.03,33.18 17.26,31.95 D5.1
Net-(D6-K): length 19.8
  Bottom w0.25: D6.1 106.36,30.97 106.37,30.97 107.97,29.37 114.3,29.37 116.05,31.12 MX6.2
Net-(D7-K): length 15.5
  Bottom w0.25: D7.1 21.62,24 16.99,19.37 MX7.2
Net-(D8-K): length 46.5
  Top w0.25: v1(34.93,60.56) v1(34.93,64.29)
  Bottom w0.25: v1(34.93,64.29) 34.93,71.91 MX8.2 ; v1(34.93,60.56) 34.93,40.08 D8.1
Net-(D9-K): length 47.1
  Top w0.25: v1(130.97,62.78) v1(130.97,69.34)
  Bottom w0.25: 125.57,76.52 130.97,71.12 v1(130.97,69.34) ; D9.1 130.97,40.87 v1(130.97,62.78)
Net-(D10-K): length 21.2
  Bottom w0.25: D10.1 30.32,37.85 MX10.2
Net-(D11-K): length 21.2
  Bottom w0.25: 125.57,57.47 125.57,37.85 D11.1
Net-(D12-K): length 19.8
  Bottom w0.25: MX12.2 39.85,31.12 38.1,29.37 31.75,29.37 31.75,29.38 D12.1
Net-(D13-K): length 19.8
  Bottom w0.25: MX13.2 135.1,31.12 133.35,29.37 127.01,29.37 D13.1
Net-(D15-K): length 46.5
  Top w0.25: v1(53.98,64.24) v1(53.98,60.56)
  Bottom w0.25: v1(53.98,60.56) 53.98,40.08 D15.1 ; MX15.2 53.98,71.91 v1(53.98,64.24)
Net-(D16-K): length 47.1
  Top w0.25: v1(150.02,62.78) v1(150.02,69.34)
  Bottom w0.25: D16.1 150.02,40.87 v1(150.02,62.78) ; v1(150.02,69.34) 150.02,71.12 MX16.2
Net-(D17-K): length 21.2
  Bottom w0.25: D17.1 49.37,37.85 MX17.2
Net-(D18-K): length 21.2
  Bottom w0.25: MX18.2 144.62,37.85 D18.1
Net-(D19-K): length 19.8
  Bottom w0.25: MX19.2 58.9,31.12 57.15,29.37 50.81,29.37 D19.1
Net-(D20-K): length 19.8
  Bottom w0.25: MX20.2 154.15,31.12 152.4,29.37 146.06,29.37 D20.1
Net-(D21-K): length 35.5
  Top w0.25: MX35.2 MX21.2
  Bottom w0.25: D21.1 70.8,26.05 MX38.2
Net-(D22-K): length 47.1
  Top w0.25: v1(73.82,64.29) v1(73.82,60.56)
  Bottom w0.25: v1(73.82,60.56) 73.82,40.87 D22.1 ; MX22.2 73.82,71.12 v1(73.82,64.29)
Net-(D23-K): length 50.8
  Top w0.25: v1(77.79,60.56) v1(77.79,64.29)
  Bottom w0.25: v1(77.79,64.29) 77.79,72.73 81.58,76.52 MX29.2 ; D23.1 86.33,40.48 77.79,49.03 v1(77.79,60.56)
Net-(D25-K): length 49.7
  Top w0.25: v1(153.99,62.71) v1(153.99,69.34)
  Bottom w0.25: v1(153.99,62.71) 153.99,41.66 D25.1 ; MX23.2 157.06,76.52 153.99,73.44 v1(153.99,69.34)
Net-(D26-K): length 55.6
  Top w0.25: v1(186.53,50.01) 185.4,51.14 184.74,51.14 182.72,53.16 MX30.2
  Bottom w0.25: 184.94,47.63 185.74,48.42 ; 184.94,47.63 186.53,49.21 v1(186.53,50.01) ; 184.94,47.63 177.01,39.69 169.48,39.69 D26.1
Net-(D27-K): length 21.3
  Bottom w0.25: MX44.2 153.39,14.61 158.94,20.15 D27.1
Net-(D28-K): length 21.2
  Bottom w0.25: D28.1 68.42,37.85 MX24.2
Net-(D29-K): length 23.6
  Bottom w0.25: MX31.2 87.47,35.47 D29.1
Net-(D30-K): length 22.3
  Bottom w0.25: MX40.2 169.55,19.37 166.5,22.41 D30.1
Net-(D31-K): length 25.1
  Bottom w0.25: D31.1 160.86,36.26 160.86,40.46 163.5,43.09 163.5,57.3 MX25.2
Net-(D32-K): length 21.1
  Bottom w0.25: D32.1 165.69,34.33 165.1,34.93 165.1,37.31 168.28,40.48 171.45,40.48 177.64,46.67 MX32.2
Net-(D34-K): length 19.8
  Bottom w0.25: MX26.2 77.95,31.12 76.2,29.37 69.86,29.37 D34.1
Net-(D35-K): length 19.8
  Bottom w0.25: D35.1 88.91,29.37 95.25,29.37 97,31.12 MX33.2
Net-(D37-K): length 25.6
  Bottom w0.25: D37.1 169.56,28.89 MX27.2 177.96,31.27 MX41.2
Net-(D40-K): length 36.1
  Top w0.25: MX42.2 MX28.2
  Bottom w0.25: MX28.2 135.1,18.9 D40.1
Net-(F2-Pad2): length 2
  Bottom w0.38: L2.1 90.73,67.65 F2.2
Net-(J3-Pin_1): length 15.3
  Bottom w0.38: SW4.1 19.05,72.74 19.05,66.99 J3.1
Net-(LED1-BK): length 1.3
  Bottom w0.25: R10.1 10.32,65.69 LED1.2
Net-(LED1-GK): length 2.1
  Bottom w0.25: R11.1 8.55,64.37 LED1.3
Net-(LED1-RK): length 3.3
  Bottom w0.25: LED1.4 6.78,66.83 6.46,66.51 6.46,65.15 R12.1
Net-(U1-P0.00/XL1): length 4.9
  Bottom w0.25: Y1.2 167.96,55.47 C9.1 168.13,54.8 169.89,56.56 U1.11
Net-(U1-P0.01/XL2): length 3.4
  Bottom w0.25: Y1.1 167.48,58.03 C10.1 168.2,58.74 U1.13
Net-(U7-ISET): length 1.4
  Bottom w0.2: R16.1 97.28,60.15 U7.16
Net-(U7-TS): length 1.5
  Bottom w0.2: U7.1 95.6,62.15 R13.1

## Copper pours and planes (outline as drawn; the poured copper is in the pictures)
+5V on Bottom: 98.44,62 98.45,60.99 98.97,60.99 98.97,58.61 100.04,58.61 100.03,62
GND on Top, Bottom: 88.11,65.88 99.22,65.88 99.22,77.79 104.78,77.79 104.78,79.38 99.22,79.38 99.22,82.55 88.11,82.55 88.11,79.38 81.76,79.38 81.76,77.79 88.11,77.79
GND on Top, Bottom: 164.63,70.2 184.09,70.17 184.1,53.58 164.6,53.53
GND on Top, Bottom: 88.11,66.68 88.11,57.15 103.19,57.15 103.19,66.68
+BATT on Bottom: 97.03,62.48 97.03,63.27 96.07,63.28 96.07,64.07 92.89,64.07 92.89,62.48
+VSW on Bottom: 99.02,62.48 99.02,63.27 100.04,63.28 100.04,64.07 102.42,64.07 102.42,62.48

## Text on the board
B.Silkscreen: JLCJLCJLCJLC | 3 | 7 | 6 | 2.25 | ISO | 1 | 1.25 | 1.75 | LED | battery | debug | reset | + | - | BLE
F.Silkscreen: 𝔓𝔞𝔫𝔡𝔢𝔪𝔬𝔫𝔦𝔲𝔪 | concept by haizeus | design by Calvin0563 | BAT | + | -
